# Altium PCB IOBoard2020.PcbDoc (part 2 of 2) (continued)
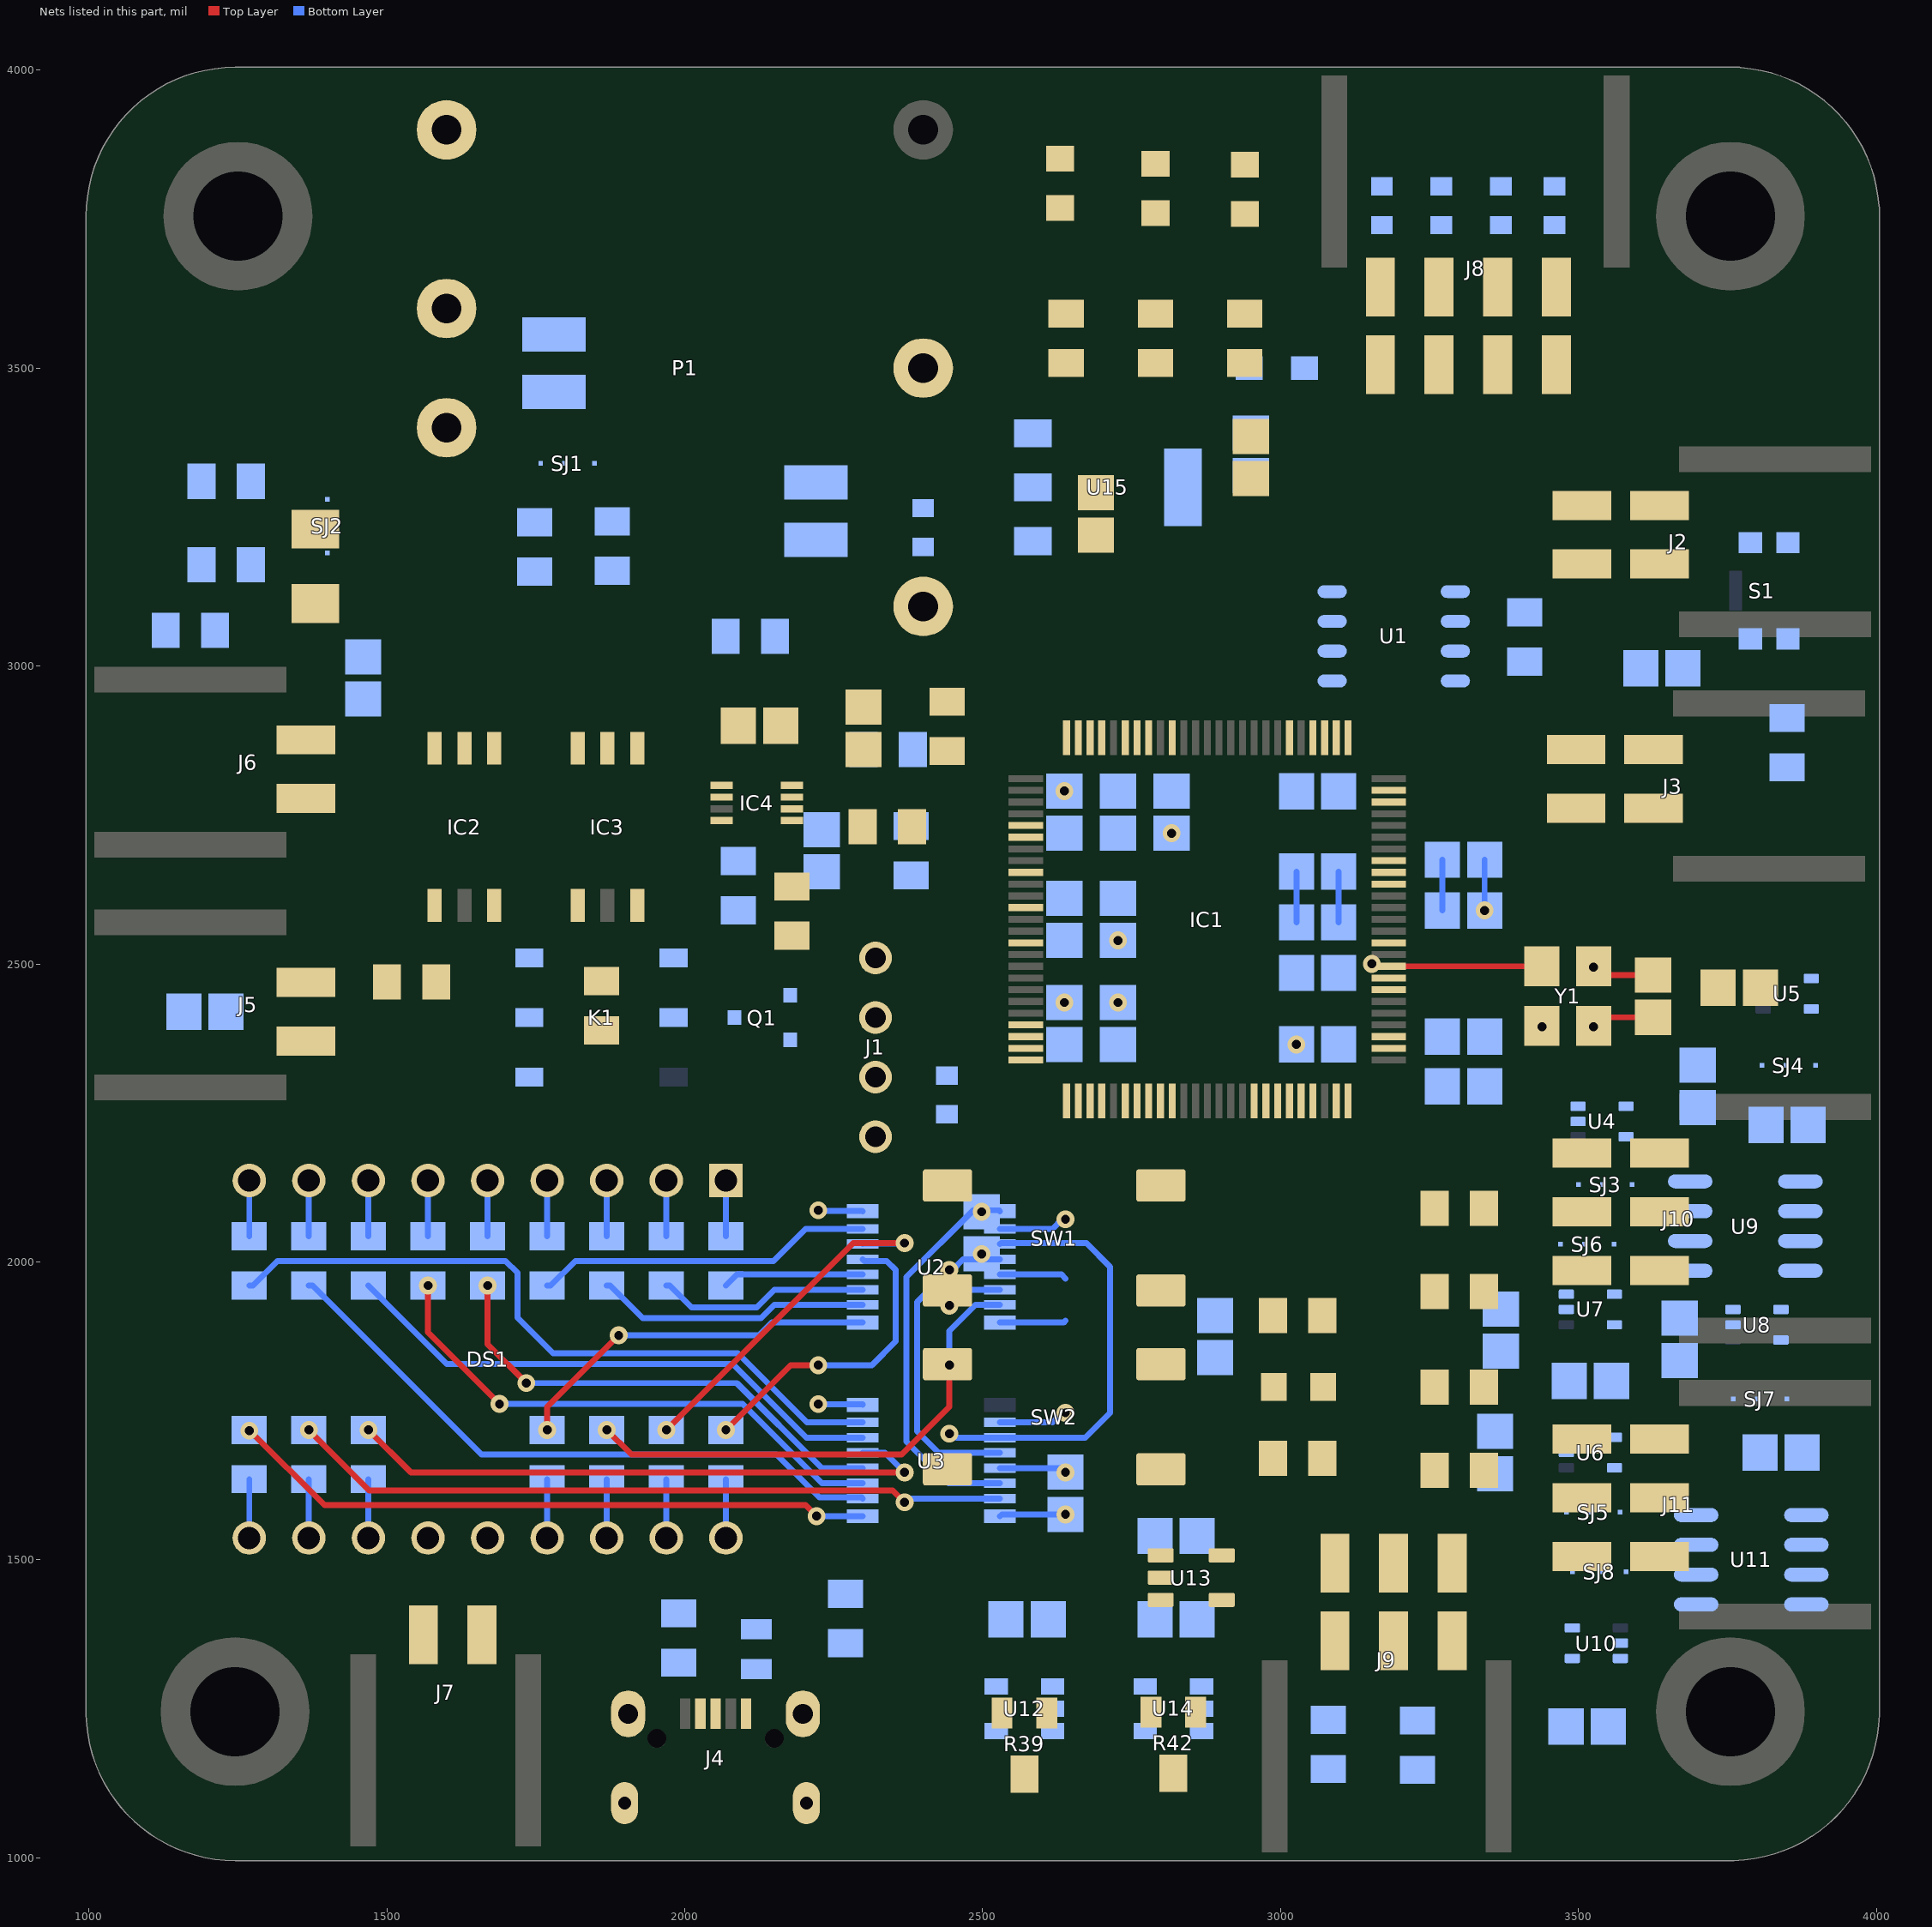
[diagram p4: the nets of this part, all layers, seen from the top]
## Part data (continued)
R39 R42: "Panasonic EVM-3YSX50B13", Built_By=EMA_UL_Team, Copyright="Copyright (C) 2018 Accelerated Designs. All rights reserved", Manufacturer_Part_Number=EVM3YSX50B13, RefDes=RefDes, SourceLibrary=Panasonic_2012-04-02a, Type=DEV, Vendor=Panasonic
R44: library part CMP-009-00001-4, "Chip Resistor, 1k Ohm, +/- 1%, 125 mW, -55 to 155 degC, 0805 (2012 Metric)", Case Code (Imperial)=0805, Case Code (Metric)=2012, Manufacturer=Panasonic, Manufacturer Part Number=ERA-6AEB102V, Max Operating Temperature=155°C, Max Power Dissipation=125mW, Min Operating Temperature=-55°C, Package Quantity=5000, Resistance=1kR, Supplier Part Number 1=P1.0KDACT-ND, Temperature Coefficient=25ppm/°C, Tolerance=0.1%, Voltage Rating=100V, Case/Package=0805, Category="Chip SMD Resistors", ComponentLink1Description=https://datasheet.ciiva.com/11811/0900766b80beefcc-11811155.pdf?src-supplier=RSComponents, ComponentLink1URL=https://datasheet.ciiva.com/11811/0900766b80beefcc-11811155.pdf?src-supplier=RSComponents, ComponentLink2Description=https://datasheet.ciiva.com/29184/453027-da-01-en-widerstand-0805-era-29184108.pdf?src-supplier=Conrad, ComponentLink2URL=https://datasheet.ciiva.com/29184/453027-da-01-en-widerstand-0805-era-29184108.pdf?src-supplier=Conrad, ComponentLink3Description=https://datasheet.ciiva.com/30057/54aoa0000ce26-30057591.pdf?src-supplier=Onlinecomponents.com, ComponentLink3URL=https://datasheet.ciiva.com/30057/54aoa0000ce26-30057591.pdf?src-supplier=Onlinecomponents.com, ComponentLink4Description=https://datasheet.ciiva.com/48536/era-eng-tds-48536727.pdf?src-supplier=Distrelec, ComponentLink4URL=https://datasheet.ciiva.com/48536/era-eng-tds-48536727.pdf?src-supplier=Distrelec, ComponentLink5Description=https://datasheet.ciiva.com/9198/aoa0000ce26-9198984.pdf?src-supplier=Avnet, ComponentLink5URL=https://datasheet.ciiva.com/9198/aoa0000ce26-9198984.pdf?src-supplier=Avnet, ComponentLink6Description=https://datasheet.ciiva.com/16782/70068849-16782808.pdf?src-supplier=Allied+Electronics, ComponentLink6URL=https://datasheet.ciiva.com/16782/70068849-16782808.pdf?src-supplier=Allied+Electronics, ComponentLink7Description=https://datasheet.ciiva.com/24025/aoa0000ce26-197354-24025849.pdf?src-supplier=Mouser, ComponentLink7URL=https://datasheet.ciiva.com/24025/aoa0000ce26-197354-24025849.pdf?src-supplier=Mouser, ComponentLink8Description=https://datasheet.ciiva.com/43455/485442-43455257.pdf?src-supplier=Farnell, ComponentLink8URL=https://datasheet.ciiva.com/43455/485442-43455257.pdf?src-supplier=Farnell, ComponentLink9Description=https://datasheet.ciiva.com/43457/485442-43457803.pdf?src-supplier=Farnell, ComponentLink9URL=https://datasheet.ciiva.com/43457/485442-43457803.pdf?src-supplier=Farnell, ComponentLink10Description=https://datasheet.ciiva.com/7942/485442-7942414.pdf?src-supplier=Element14, ComponentLink10URL=https://datasheet.ciiva.com/7942/485442-7942414.pdf?src-supplier=Element14, ComponentLink11Description=https://datasheet.ciiva.com/16201/aoa0000ce26-16201486.pdf?src-supplier=Future+Electronics, ComponentLink11URL=https://datasheet.ciiva.com/16201/aoa0000ce26-16201486.pdf?src-supplier=Future+Electronics, ComponentLink12Description=https://datasheet.ciiva.com/22783/485442-22783806.pdf?src-supplier=Farnell, ComponentLink12URL=https://datasheet.ciiva.com/22783/485442-22783806.pdf?src-supplier=Farnell, ComponentLink13Description=https://datasheet.ciiva.com/7942/485442-7942415.pdf?src-supplier=Element14, ComponentLink13URL=https://datasheet.ciiva.com/7942/485442-7942415.pdf?src-supplier=Element14, Composition="Thin Film", Contact Plating=Tin, Depth=1.25mm, Height=0.5mm, Length=2mm, Military Standard=Not, Mount="Surface Mount", Number of Pins=2, Number of Terminations=2, Packaging="Tape and Reel", Power Rating=125mW, Pricing 1="1=0.33000, 10=0.27800, 100=0.10850, 1000=0.04541, 2500=0.04163 (USD)", Radiation Hardening=No, REACH SVHC="No SVHC", RoHS=Yes, Stock 1=122815, Supplier 1=Digi-Key, Termination=SMD/SMT, Width=1.25mm, Working Voltage=100V
R45: library part CMP-009-00001-4, "Chip Resistor, 100 Ohm, +/- 1%, 125 mW, -55 to 155 degC, 0805 (2012 Metric)", Case Code (Imperial)=0805, Case Code (Metric)=2012, Manufacturer=Panasonic, Manufacturer Part Number=ERA-6AEB101V, Max Operating Temperature=155°C, Max Power Dissipation=125mW, Min Operating Temperature=-55°C, Package Quantity=1, Resistance=100R, Supplier Part Number 1=P100DACT-ND, Temperature Coefficient=25ppm/°C, Tolerance=0.1%, Voltage Rating=100V, Case/Package=0805, Category="Chip SMD Resistors", ComponentLink1Description=https://datasheet.ciiva.com/11810/0900766b80beefcc-11810733.pdf?src-supplier=RSComponents, ComponentLink1URL=https://datasheet.ciiva.com/11810/0900766b80beefcc-11810733.pdf?src-supplier=RSComponents, ComponentLink2Description=https://datasheet.ciiva.com/29184/452698-da-01-en-widerstand-0805-era-29184051.pdf?src-supplier=Conrad, ComponentLink2URL=https://datasheet.ciiva.com/29184/452698-da-01-en-widerstand-0805-era-29184051.pdf?src-supplier=Conrad, ComponentLink3Description=https://datasheet.ciiva.com/16774/70068849-16774677.pdf?src-supplier=Allied+Electronics, ComponentLink3URL=https://datasheet.ciiva.com/16774/70068849-16774677.pdf?src-supplier=Allied+Electronics, ComponentLink4Description=https://datasheet.ciiva.com/22758/485442-22758149.pdf?src-supplier=Farnell, ComponentLink4URL=https://datasheet.ciiva.com/22758/485442-22758149.pdf?src-supplier=Farnell, ComponentLink5Description=https://datasheet.ciiva.com/46438/485442-46438213.pdf?src-supplier=Element14, ComponentLink5URL=https://datasheet.ciiva.com/46438/485442-46438213.pdf?src-supplier=Element14, ComponentLink6Description=https://datasheet.ciiva.com/16770/70068849-16770007.pdf?src-supplier=Allied+Electronics, ComponentLink6URL=https://datasheet.ciiva.com/16770/70068849-16770007.pdf?src-supplier=Allied+Electronics, ComponentLink7Description=https://datasheet.ciiva.com/46438/485442-46438214.pdf?src-supplier=Element14, ComponentLink7URL=https://datasheet.ciiva.com/46438/485442-46438214.pdf?src-supplier=Element14, ComponentLink8Description=https://datasheet.ciiva.com/30140/54aoa0000ce26-30140696.pdf?src-supplier=Onlinecomponents.com, ComponentLink8URL=https://datasheet.ciiva.com/30140/54aoa0000ce26-30140696.pdf?src-supplier=Onlinecomponents.com, ComponentLink9Description=https://datasheet.ciiva.com/17207/aoa0000ce26-17207961.pdf?src-supplier=Avnet+Europe, ComponentLink9URL=https://datasheet.ciiva.com/17207/aoa0000ce26-17207961.pdf?src-supplier=Avnet+Europe, ComponentLink10Description=https://datasheet.ciiva.com/24072/aoa0000ce26-32660-24072217.pdf?src-supplier=Mouser, ComponentLink10URL=https://datasheet.ciiva.com/24072/aoa0000ce26-32660-24072217.pdf?src-supplier=Mouser, ComponentLink11Description=https://datasheet.ciiva.com/28513/485442-28513850.pdf?src-supplier=Element14, ComponentLink11URL=https://datasheet.ciiva.com/28513/485442-28513850.pdf?src-supplier=Element14, ComponentLink12Description=https://datasheet.ciiva.com/48536/era-eng-tds-48536747.pdf?src-supplier=Distrelec, ComponentLink12URL=https://datasheet.ciiva.com/48536/era-eng-tds-48536747.pdf?src-supplier=Distrelec, ComponentLink13Description=https://datasheet.ciiva.com/16396/aoa0000ce26-16396828.pdf?src-supplier=Future+Electronics, ComponentLink13URL=https://datasheet.ciiva.com/16396/aoa0000ce26-16396828.pdf?src-supplier=Future+Electronics, ComponentLink14Description=https://datasheet.ciiva.com/9186/aoa0000ce26-9186749.pdf?src-supplier=Avnet, ComponentLink14URL=https://datasheet.ciiva.com/9186/aoa0000ce26-9186749.pdf?src-supplier=Avnet, Composition="Metal Film,Thin Film", Contact Plating=Tin, Depth=1.25mm, Features="Automotive AEC-Q200", Height=0.5mm, Lead Free="Lead Free", Length=2mm, Military Standard=Not, Mount="Surface Mount", Number of Pins=2, Number of Terminations=2, Packaging="Tape and Reel", Power Rating=125mW, Pricing 1="1=0.33000, 10=0.27800, 100=0.10850, 1000=0.04541, 2500=0.04163 (USD)", Radiation Hardening=No, REACH SVHC="No SVHC", RoHS=Yes, Stock 1=127229, Supplier 1=Digi-Key, Termination=SMD/SMT, Voltage Rating (DC)=100V, Width=1.25mm
R46: library part CMP-009-00001-4, "Chip Resistor, 75 Ohm, +/- 1%, 125 mW, -55 to 155 degC, 0805 (2012 Metric)", Case Code (Imperial)=0805, Case Code (Metric)=2012, Manufacturer=Panasonic, Manufacturer Part Number=ERA-6AEB750V, Max Operating Temperature=155°C, Max Power Dissipation=125mW, Min Operating Temperature=-55°C, Package Quantity=5000, Resistance=75R, Supplier Part Number 1=P75DACT-ND, Temperature Coefficient=25ppm/°C, Tolerance=0.1%, Voltage Rating=100V, Case/Package=0805, Category="Chip SMD Resistors", ComponentLink1Description=https://datasheet.ciiva.com/29184/452659-da-01-en-widerstand-0805-era-29184043.pdf?src-supplier=Conrad, ComponentLink1URL=https://datasheet.ciiva.com/29184/452659-da-01-en-widerstand-0805-era-29184043.pdf?src-supplier=Conrad, ComponentLink2Description=https://datasheet.ciiva.com/5917/485442-5917734.pdf?src-supplier=Farnell, ComponentLink2URL=https://datasheet.ciiva.com/5917/485442-5917734.pdf?src-supplier=Farnell, ComponentLink3Description=https://datasheet.ciiva.com/48536/era-eng-tds-48536758.pdf?src-supplier=Distrelec, ComponentLink3URL=https://datasheet.ciiva.com/48536/era-eng-tds-48536758.pdf?src-supplier=Distrelec, ComponentLink4Description=https://datasheet.ciiva.com/5917/485442-5917735.pdf?src-supplier=Farnell, ComponentLink4URL=https://datasheet.ciiva.com/5917/485442-5917735.pdf?src-supplier=Farnell, ComponentLink5Description=https://datasheet.ciiva.com/5917/485442-5917736.pdf?src-supplier=Farnell, ComponentLink5URL=https://datasheet.ciiva.com/5917/485442-5917736.pdf?src-supplier=Farnell, ComponentLink6Description=https://datasheet.ciiva.com/7710/485442-7710664.pdf?src-supplier=Element14, ComponentLink6URL=https://datasheet.ciiva.com/7710/485442-7710664.pdf?src-supplier=Element14, ComponentLink7Description=https://datasheet.ciiva.com/17208/aoa0000ce26-17208633.pdf?src-supplier=Avnet+Europe, ComponentLink7URL=https://datasheet.ciiva.com/17208/aoa0000ce26-17208633.pdf?src-supplier=Avnet+Europe, ComponentLink8Description=https://datasheet.ciiva.com/48425/era-eng-tds-48425627.pdf?src-supplier=Distrelec, ComponentLink8URL=https://datasheet.ciiva.com/48425/era-eng-tds-48425627.pdf?src-supplier=Distrelec, ComponentLink9Description=https://datasheet.ciiva.com/30147/54aoa0000ce26-30147167.pdf?src-supplier=Onlinecomponents.com, ComponentLink9URL=https://datasheet.ciiva.com/30147/54aoa0000ce26-30147167.pdf?src-supplier=Onlinecomponents.com, ComponentLink10Description=https://datasheet.ciiva.com/7710/485442-7710665.pdf?src-supplier=Element14, ComponentLink10URL=https://datasheet.ciiva.com/7710/485442-7710665.pdf?src-supplier=Element14, ComponentLink11Description=https://datasheet.ciiva.com/9187/aoa0000ce26-9187722.pdf?src-supplier=Avnet, ComponentLink11URL=https://datasheet.ciiva.com/9187/aoa0000ce26-9187722.pdf?src-supplier=Avnet, Composition="Thin Film", Contact Plating=Tin, Depth=1.25mm, Height=0.024inch, Lead Free="Lead Free", Length=2mm, Military Standard=Not, Mount="Surface Mount", Number of Pins=2, Number of Terminations=2, Packaging="Tape and Reel", Power Rating=125mW, Pricing 1="1=0.33000, 10=0.27800, 100=0.10850, 1000=0.04541, 2500=0.04163 (USD)", Radiation Hardening=No, REACH SVHC=Yes, RoHS=Yes, Stock 1=28530, Supplier 1=Digi-Key, Termination=SMD/SMT, Voltage Rating (DC)=100V, Width=0.049inch
S1: "Tactile Switch SPST-NO Top Actuated Surface Mount", Package=None, Availability=Unavailable, MF=C&K, MP=KMR221GLFS, Price=None, SnapEDA_Link=https://www.snapeda.com/parts/KMR221GLFS/C%26K/view-part/347724/?ref=snap
SJ1 SJ2 SJ3 SJ4 SJ5 SJ6 SJ7 SJ8: "3-Way Solder Jumper"
SW1 SW2: "Tactile Switch SPST-NO Top Actuated Surface Mount", Contact_Current_Rating="50 mA", Package=None, Availability=Unavailable, Configuration_Pole-Throw="Single Pole - Single Throw", EU_RoHS_Compliance=Compliant, MF="TE Connectivity", MP=FSM4JSMA, Price=None, SnapEDA_Link=https://www.snapeda.com/parts/FSM4JSMA/TE%20Connectivity%20ALCOSWITCH%20Switches/view-part/543632/?ref=snap, TE_purchase_URL=https://www.te.com/usa-en/product-4-1437565-1.html?te_bu=Cor&te_type=disp&te_campaign=seda_glo_cor-seda-global-disp-prtnr-fy19-seda-model-bom-cta_sma-317_1&elqCampaignId=32493
U1: library part CMP-2000-07245-1, "High-Speed CAN Transceiver, 3 to 5 V, 8-Pin SOIC (SOT96-1), RoHS, Tape and Reel", Manufacturer=NXP, Operating Supply Voltage (Max)=5.5V, Operating Supply Voltage (Min)=4.5V, Operating Supply Voltage (Typ)=5V, Operating Temperature (Max)=125C, Operating Temperature (Min)=-40C, Operating Temperature Classification=Automotive, Package Description="8-Pin Small Outline Integrated Circuit, Body 4.9 x 3.9 mm, Pitch 1.27 mm", Package Reference=SOT96-1, Package Type=SO, Power Down Mode=Normal/Silent, Supply Current=70mA, Category=Transceiver, Data Rate=1Mbps, Datasheet URL=http://www.nxp.com/documents/data_sheet/TJA1051.pdf, Datasheet Version="Rev. 7, 01/2015", DELETED=Compliant, Manufacturer URL=http://www.nxp.com/, Mounting=SurfaceMount, Mounting Technology=SurfaceMount, Number of Transceivers=1, Packaging=TapeandReel, Pin Count=8, Rad Hardened=No, Standard Supported=ISO11898-2
U2 U3: library part CMP-14351-000002-1, "IC SHIFT REGISTER 8BIT 16TSSOP", Ambient Temperature Range High=+125°C, Ambient Temperature Range Low=-40°C, Frequency=108MHz, Manufacturer=Nexperia, Max Supply Voltage=6V, Min Supply Voltage=2V, Nominal Supply Current=160uA, Package=SOT403-1, Temperature="-40°C to +125°C", Automotive=Yes, Automotive Grade="Grade 1", Category=IC, ComponentLink2Description=Datasheet, ComponentLink2URL=https://assets.nexperia.com/documents/data-sheet/74HC_HCT595_Q100.pdf, Device Class L1="Integrated Circuits (ICs)", Device Class L2="Logic ICs", Device Class L3="Shift Registers", Digikey Description="IC SHIFT REGISTER 8BIT 16TSSOP", Footprint Url=https://assets.nexperia.com/documents/outline-drawing/SOT403-1.pdf, Height=1.1mm, Ipc Land Pattern Name=SOP65P500X110-16, Lead Free=Yes, Manufacturer Part Number=74HC595PW-Q100,118, Number Of Circuits=1, Number Of Inputs=1, Number Of Outputs=9, Octopart=https://octopart.com/74hc595pw-q100%2C118-nexperia-78737379, Propagation Delay=16ns, RoHS=TRUE, Standoff Height=0.05mm, Temperature Range High=+125°C, Temperature Range Low=-40°C
U4 U5 U6 U7 U8 U10: library part CMP-0859-00371-3, "Single Power Supply BUFFER Logic Level Shifter (no enable), DCK0005A, LARGE T&R", F @ Nom Voltage(Max)(Mhz)=50, Generic Part Number=SN74LV1T34, ICC @ Nom Voltage(Max)(mA)=0.01, Manufacturer="Texas Instruments", Operating Temperature Range(C)="-40 to 125", Rating=Catalog, tpd @ Nom Voltage(Max)(ns)=14.5,9.5,8.0,6.5, Voltage(Nom)(V)=1.8,2.5,3.3,5.5, 3-State Output=Yes, Bits(#)=1, DatasheetVersion=SCLS743A, Input Type=TTL, Logic=True, Output Drive (IOL/IOH)(Max)(mA)=8/-8, Output Type=CMOS, PackageReference=DCK0005A, Schmitt Trigger=No, Special Features="1.8V to 3.3V Up Translation,3.3V to 1.8V Down Translation,5V Input Tolerant", Sub-Family="Non-Inverting Buffer/Driver", Technology Family=LV1T, VCC(Max)(V)=5.5, VCC(Min)(V)=1.6
U9 U11: library part CMP-0188-00474-2, "2.7V Dual Channel 12-Bit A/D Converter with SPI Serial Interface, 8-Pin SOIC 150mil, C Performance Grade, Industrial Temperature", Code_IPC=SOIC127P600-8, Code_JEDEC=MS-012, ComponentLink1Description="Manufacturer URL", ComponentLink1URL=http://www.microchip.com/, ComponentLink2Description=Datasheet, ComponentLink2URL=http://ww1.microchip.com/downloads/en/DeviceDoc/21034F.pdf, ComponentLink3Description="Package Specification", ComponentLink3URL=http://www.microchip.com/stellent/groups/techpub_sg/documents/packagingspec/en012702.pdf, DatasheetVersion="revF, Nov-2011", PackageDescription="8-Lead Plastic Small Outline (SN) - Narrow, 3.90mm Body [SOIC]", PackageReference=SOIC-SN8, PackageVersion="revBB, Aug-2009", RevisionNote="URLs added. DatasheetVersion updated."
U12 U14: library part CMP-1310-00382-1, "Single Low-Voltage, Rail-to-Rail Operational Amplifier, 2.7 to 5.5 V, -40 to 85 degC, 5-Pin TSOP, Pb-Free, Tape and Reel", Manufacturer="On Semiconductor", ComponentLink1Description="Manufacturer URL", ComponentLink1URL=http://www.onsemi.com/, ComponentLink2Description=Datasheet, ComponentLink2URL=http://www.onsemi.cn/pub_link/Collateral/LMV321-LMV358-LMV324-D.PDF, ComponentLink3Description="Package Specification", ComponentLink3URL=http://www.onsemi.com/pub_link/Collateral/483.PDF, DatasheetVersion="Rev. 10", GBW Typ (MHz)=1, Mounting Technology="Surface Mount", PackageDescription="5-Pin Small Outline Package, Body 3 x 1.5 mm, Pitch 0.95 mm", PackageReference=TSOP-5-483-02, PackageVersion="Rev. K, 04/2013", Packing="Tape and Reel", PartNumber=LMV321SN3T1G, RoHS=TRUE, SR Typ (V/uS)=1, VCC Max (V)=5.5, VCC Min (V)=2.7
U13: library part CMP-04903-000054-1, "IC GATE NOR 1CH 2-INP SOT23-5", Ambient Temperature Range High=+125°C, Ambient Temperature Range Low=-40°C, Frequency=100MHz, Manufacturer="Texas Instruments", Max Supply Voltage=5.5V, Min Supply Voltage=1.65V, Nominal Supply Current=10uA, Package=DBV0005A, Temperature="-40°C to +125°C", Automotive=No, Category=IC, ComponentLink2Description=Datasheet, ComponentLink2URL=http://www.ti.com/lit/ds/symlink/sn74lvc1g02.pdf, Device Class L1="Integrated Circuits (ICs)", Device Class L2="Logic ICs", Device Class L3="Logic Gates", Digikey Description="IC GATE NOR 1CH 2-INP SOT23-5", Height=1.45mm, Ipc Land Pattern Name=SOT95P280X145-5, Lead Free=Yes, Logic Function Desc=NOR, Manufacturer Part Number=SN74LVC1G02DBVR, Mouser Description="Logic Gates Single 2-Input Pos- NOR Gate", Number Of Circuits=1, Number Of Inputs=2, Number Of Outputs=1, Octopart=https://octopart.com/sn74lvc1g02dbvr-texas+instruments-464409, Propagation Delay=4.5ns, RoHS=TRUE, Standoff Height=0mm, Temperature Range High=+125°C, Temperature Range Low=-40°C
U15: library part CMP-12756-000039-1, "IC REG LINEAR 3.3V 1A SOT223", Case/Package=TO-261-4, Dropout Voltage=1.1V, Max Input Voltage=13V, Max Operating Temperature=125°C, Max Output Current=1A, Min Operating Temperature=-40°C, Operating Supply Current=3.5mA, Output Voltage=3.3V, Package Quantity=4000, Power Supply Rejection Ratio (PSRR)=70dB, Reference Voltage=1.262V, Accuracy=1%, Contact Plating=Tin, Lead Free="Lead Free", Mount="Surface Mount", Number Of Outputs=1, Number of Pins=3, Number of Regulators=1, Output Current=1A, Output Type=Fixed, Packaging="Tape and Reel", Polarity=Positive, Quiescent Current=3.5mA, Weight=0.000282oz
Y1: library part CMP-27762-000018-1, "XTAL OSC XO 8.000MHZ HCMOS TTL", Frequency=8.000MHz, Load Capacitance=15pF, Manufacturer=Abracon, Max Supply Current=15mA, Max Supply Voltage=3.63V, Min Supply Voltage=2.97V, Package=ASFL1, Temperature="-20°C to +70°C", Temperature Range High=+70°C, Temperature Range Low=-20°C, Automotive=No, Category=Crys, ComponentLink2Description=Datasheet, ComponentLink2URL=https://abracon.com/Oscillators/ASFL1.pdf, Device Class L1="Passive Components", Device Class L2="Crystals / Oscillators", Device Class L3=Oscillators, Digikey Description="XTAL OSC XO 8.000MHZ HCMOS TTL", Footprint Url=https://abracon.com/Support/PackageDrawing/Oscillators/ASFL1.PDF, Height=1.3mm, Lead Free=Yes, Manufacturer Part Number=ASFL1-8.000MHZ-EK-T, Mouser Description="Oscillator XO 8.000MHz 50ppm 15pF (Stability) HCMOS/TTL 60% 3.3V 4-Pin SMD T/R", Octopart=https://octopart.com/asfl1-16.384mhz-ec-t-abracon-317624, RoHS=TRUE, Series=ASFL1, Stability=50ppm

## Via types
v1: diameter 30, hole 15, Top Layer to Bottom Layer, 58 vias

## Nets (pads, with @x,y where several pads share a name; then routed paths per layer and width w, separated by ;. In a path a pad name is that pad's centre, name@x,y a point inside that pad or via, vN(x,y) a via of type N, cw(c..) or ccw(c..) an arc to the next point about the centre after c; other vN are vias at no path point)
3V3A: C8.2 C9.1 C10.2 C11.1 C41.1 IC1.17 IC1.18 L1.2 | length 170
  Bottom Layer w10: C8.2@3097.43,2569.81 C9.1@3097.43,2654.81 ; C10.2@3271.57,2589.81 C11.1@3271.57,2674.81
3V3D: C1.2 C2.2 C3.2 C4.2 C5.2 C6.2 C7.1 C13.1 C14.1 C15.1 C16.1 C21.1 C22.1 C24.2 C40.2 F1.1 F5.1 F6.1 IC1.3 IC1.8 IC1.24 IC1.45 IC1.55 IC1.65 IC1.77 IC1.100 IC4.8 L1.1 R1.2 R2.2 R6.2 R24.1 R29.2 R31.1 R38.1 R46.1 R47.2 R48.2 U1.5 U2.10 U2.16 U3.10 U3.16 U15.2 U15.4 Y1.1 Y1.4 | length 560.9
  Top Layer w10: Y1.1@3525.31,2395.81 3539.87,2410.38 C7.1@3625,2410.38
  Bottom Layer w10: U3.16@2529.09,1573.02 2532.16,1576.09 v1(2638.93,1576.09) ; U3.10@2529.09,1730.5 2617.49,1730.5 2633.52,1746.52 v1(2638.93,1746.52) ; U2.16@2529.09,1898.02 2635.86,1898.02 2638.93,1901.09 ; U2.10@2529.09,2055.5 2617.49,2055.5 2633.52,2071.52 v1(2638.93,2071.52)
  other v1: 2498.18,2013.21 3438.69,2394.81 3525.31,2394.81
5V: C12.1 C26.1 C27.1 C28.1 C29.1 C30.1 C31.2 C32.1 C34.2 C35.2 C39.2 F3.1 F4.1 F7.2 IC2.6 IC3.6 J9.2 J9.5 J10.2 J10.5 R39.1 R40.2 R42.1 R43.2 R45.2 U1.3 U4.5 U5.5 U6.5 U7.5 U8.5 U9.8 U10.5 U11.8 U13.5 U15.3
ACCEL_1: J10.1 J11.3 U9.2
ACCEL_2: J10.4 J11.6 U9.3
BOOT0: IC1.97 SJ1.2
BOOT1: IC1.31 SJ2.2
BRAKE_1: J9.3 J11.1 R40.1 U11.2 U12.1
BRAKE_2: J9.6 J11.4 R43.1 U11.3 U14.1
CAN1_N: J2.2 J3.2 R3.1 U1.6
CAN1_P: J2.1 J3.1 R3.2 U1.7
CAN1_RX: IC1.84 U1.4
CAN1_TX: IC1.85 U1.1
CLK: IC1.9 Y1.3 | length 257.2
  Top Layer w10: IC1.9@3181.65,2496.07 3438.43,2496.07 Y1.3@3438.69,2495.81
  other v1: 3153.22,2500.17
Debug_CS: IC1.82 U2.12 U3.12 | length 540.1
  Bottom Layer w10: U3.12@2529.09,1679.32 2426.13,1679.32 2389.93,1715.52 2389.93,1932.52 v1(2443.93,1986.52) 2449.34,1986.52 2467.14,2004.32 U2.12@2529.09,2004.32
Debug_MOSI: IC1.83 U2.14 | length 96.2
  Bottom Layer w10: v1(2443.93,1926.52) 2470.54,1953.13 U2.14@2529.09,1953.13
Debug_SCLK: IC1.81 U2.11 U3.11 | length 737.1
  Bottom Layer w10: v1(2443.93,1711.52) 2449.34,1711.52 2455.96,1704.91 U3.11@2529.09,1704.91 2672.31,1704.91 2713.93,1746.52 2713.93,1991.52 2673.93,2031.52 2530.7,2031.52 U2.11@2529.09,2029.91
GND: C1.1 C2.1 C3.1 C4.1 C5.1 C6.1 C7.2 C8.1 C9.2 C10.1 C11.2 C12.2 C13.2 C14.2 C15.2 C16.2 C17.1 C18.1 C19.1 C20.1 C21.2 C22.2 C23.2 C24.1 C25.1 C26.2 C27.2 C28.2 C29.2 C30.2 C31.1 C32.2 C33.2 C34.1 C35.1 C36.2 C38.2 C39.1 C40.1 C41.2 C42.1 C43.1 DS1.13 DS1.14 IC1.2 IC1.7 IC1.16 IC1.23 IC1.44 IC1.59 IC1.78 IC2.4 IC3.4 IC4.1 IC4.2 IC4.4 J1.2 J2.3 J2.4 J3.3 J3.4 J4.5 J4.Shell J7.2 J8.5 J8.6 J8.7 J8.8 J9.1 J9.4 J10.3 J10.6 J11.2 J11.5 LED3.1 LED4.1 P1.5 Q1.2 R4.1 R5.1 R26.1 R35.1 R37.1 R39.3 R41.1 R42.3 S1.1 S1.4 SW1.1 SW1.2 SW2.1 SW2.2 U1.2 U1.8 U2.8 U2.13 U3.8 U3.13 U4.3 U5.3 U6.3 U7.3 U8.3 U9.4 U10.3 U11.4 U12.2 U13.3 U14.2 U15.1 Y1.2 | length 652
  Top Layer w10: Y1.2@3525.31,2495.81 3539.87,2481.24 C7.2@3625,2481.24
  Bottom Layer w10: v1(2223.93,1761.12) 2224.48,1760.57 2298.22,1760.57 U3.8@2298.77,1760.02 ; v1(2223.93,2086.52) 2224.68,2085.77 2298.02,2085.77 U2.8@2298.77,2085.02 ; U3.13@2529.09,1653.72 2631.72,1653.72 v1(2638.93,1646.52) ; U2.13@2529.09,1978.72 2632.16,1978.72 2638.93,1971.95 ; C8.1@3026.57,2569.81 C9.2@3026.57,2654.81 ; v1(3342.43,2589.81) C11.2@3342.43,2674.81
  other v1: 2498.18,2084.07 3026.57,2364.81 2637,2435.24 2727,2435.24 3525.31,2494.81 2727,2539.38 2817,2719.38 2637,2790.24
NetC17_2: C17.2 IC1.56 IC1.62
NetC18_2: C18.2 IC1.76
NetC19_2: C19.2 IC1.43
NetC23_1: C23.1 IC4.6 R25.1
NetC25_2: C25.2 IC4.7 R30.1
NetC33_1: C33.1 U12.5
NetC36_1: C36.1 U14.5
NetC38_1: C38.1 F7.1 P1.6
NetC42_2: C42.2 IC1.99 R47.1 SW1.3 SW1.4
NetC43_2: C43.2 IC1.41 R48.1 SW2.3 SW2.4
NetDS1_1: DS1.1 R11.1 | length 93.7
  Bottom Layer w10: R11.1@2068.93,2042.86 DS1.1@2068.93,2136.52
NetDS1_2: DS1.2 R10.1 | length 93.7
  Bottom Layer w10: R10.1@1968.93,2042.86 DS1.2@1968.93,2136.52
NetDS1_3: DS1.3 R9.1 | length 93.7
  Bottom Layer w10: R9.1@1868.93,2042.86 DS1.3@1868.93,2136.52
NetDS1_4: DS1.4 R14.1 | length 93.7
  Bottom Layer w10: R14.1@1768.93,2042.86 DS1.4@1768.93,2136.52
NetDS1_5: DS1.5 R19.1 | length 93.7
  Bottom Layer w10: R19.1@1668.93,2042.86 DS1.5@1668.93,2136.52
NetDS1_6: DS1.6 R18.1 | length 93.7
  Bottom Layer w10: R18.1@1568.93,2042.86 DS1.6@1568.93,2136.52
NetDS1_7: DS1.7 R21.1 | length 93.7
  Bottom Layer w10: R21.1@1468.93,2042.86 DS1.7@1468.93,2136.52
NetDS1_8: DS1.8 R17.1 | length 93.7
  Bottom Layer w10: R17.1@1368.93,2042.86 DS1.8@1368.93,2136.52
NetDS1_9: DS1.9 R22.1 | length 93.7
  Bottom Layer w10: R22.1@1268.93,2042.86 DS1.9@1268.93,2136.52
NetDS1_10: DS1.10 R16.1 | length 98.7
  Bottom Layer w10: DS1.10@1268.93,1536.52 R16.1@1268.93,1635.18
NetDS1_11: DS1.11 R15.1 | length 98.7
  Bottom Layer w10: DS1.11@1368.93,1536.52 R15.1@1368.93,1635.18
NetDS1_12: DS1.12 R20.1 | length 98.7
  Bottom Layer w10: DS1.12@1468.93,1536.52 R20.1@1468.93,1635.18
NetDS1_15: DS1.15 R8.1 | length 98.7
  Bottom Layer w10: DS1.15@1768.93,1536.52 R8.1@1768.93,1635.18
NetDS1_16: DS1.16 R7.1 | length 98.7
  Bottom Layer w10: DS1.16@1868.93,1536.52 R7.1@1868.93,1635.18
NetDS1_17: DS1.17 R13.1 | length 98.7
  Bottom Layer w10: DS1.17@1968.93,1536.52 R13.1@1968.93,1635.18
NetDS1_18: DS1.18 R12.1 | length 98.7
  Bottom Layer w10: DS1.18@2068.93,1536.52 R12.1@2068.93,1635.18
NetF1_2: F1.2 J1.1
NetF2_2: F2.2 J6.2
NetF3_2: F3.2 J8.1
NetF4_2: F4.2 J8.2
NetF5_2: F5.2 J8.3
NetF6_2: F6.2 J8.4
NetIC1_26: IC1.26 SJ3.3 U4.2
NetIC1_27: IC1.27 R34.2 R35.2
NetIC1_28: IC1.28 SJ6.3 U7.2
NetIC1_29: IC1.29 SJ4.3 U5.2
NetIC1_47: IC1.47 SJ5.3 U6.2
NetIC1_48: IC1.48 R36.2 R37.2
NetIC1_49: IC1.49 SJ8.3 U10.2
NetIC1_50: IC1.50 SJ7.3 U8.2
NetIC1_72: IC1.72 J7.1 LED1.1 R41.2 U13.4
NetIC1_73: IC1.73 R33.1
NetIC1_74: IC1.74 R32.1
NetIC1_75: IC1.75 J1.3
NetIC1_79: IC1.79 J1.4
NetIC1_92: IC1.92 Q1.1 R27.2
NetIC1_93: IC1.93 IC2.5
NetIC1_94: IC1.94 IC3.5
NetIC1_95: IC1.95 R25.2 R26.2
NetIC1_96: IC1.96 R29.1 R30.2
NetIC2_1: IC2.1 R23.2
NetIC3_1: IC3.1 R28.2
NetIC4_5: IC4.5 R27.1
NetJ4_2: J4.2 R33.2
NetJ4_3: J4.3 R31.2 R32.2
NetJ5_1: J5.1 K1.5 R28.1
NetJ5_2: J5.2 K1.4 K1.6 R23.1
NetK1_1: K1.1 R24.2
NetK1_2: K1.2 Q1.3
NetLED1_2: LED1.2 R38.2
NetLED2_2: LED2.2 R44.2
NetLED3_2: LED3.2 R45.1
NetLED4_2: LED4.2 R46.2
NetR1_1: R1.1 SJ1.1
NetR2_1: R2.1 SJ2.1
NetR4_2: R4.2 SJ1.3
NetR5_2: R5.2 SJ2.3
NetR7_2: R7.2 U2.15 | length 855.9
  Top Layer w10: v1(1868.93,1717.86) 1910.27,1676.52 2363.93,1676.52 2443.93,1756.52 v1(2443.93,1826.52)
  Bottom Layer w10: v1(2443.93,1826.52) 2443.93,1883.91 2487.57,1927.54 U2.15@2529.09,1927.54
NetR8_2: R8.2 U2.1 | length 627.1
  Top Layer w10: v1(1768.93,1717.86) 1768.93,1756.52 v1(1888.93,1876.52)
  Bottom Layer w10: v1(1888.93,1876.52) 2124.38,1876.52 2145.88,1898.02 U2.1@2298.77,1898.02
NetR9_2: R9.2 U2.2 | length 461.6
  Bottom Layer w10: R9.2@1868.93,1960.18 1874.83,1960.18 1929.46,1905.56 2127.97,1905.56 2149.95,1927.54 U2.2@2298.77,1927.54
NetR10_2: R10.2 U2.3 | length 357.3
  Bottom Layer w10: R10.2@1968.93,1960.18 1974.83,1960.18 2011.46,1923.56 2120.51,1923.56 2150.09,1953.13 U2.3@2298.77,1953.13
NetR11_2: R11.2 U2.4 | length 237.5
  Bottom Layer w10: R11.2@2068.93,1960.18 2087.47,1978.72 U2.4@2298.77,1978.72
NetR12_2: R12.2 U2.5 | length 529.1
  Top Layer w10: v1(2068.93,1717.86) 2177.59,1826.52 v1(2223.93,1826.52)
  Bottom Layer w10: v1(2223.93,1826.52) 2313.93,1826.52 2353.93,1866.52 2353.93,1986.52 2339.01,2001.44 2301.65,2001.44 U2.5@2298.77,2004.32
NetR13_2: R13.2 U2.6 | length 600.7
  Top Layer w10: v1(1968.93,1717.86) 2282.59,2031.52 v1(2368.93,2031.52)
  Bottom Layer w10: U2.6@2298.77,2029.91 2299.58,2030.71 2368.12,2030.71 v1(2368.93,2031.52)
NetR14_2: R14.2 U2.7 | length 569.3
  Bottom Layer w10: R14.2@1768.93,1960.18 1774.83,1960.18 1816.17,2001.52 2148.93,2001.52 2202.91,2055.5 U2.7@2298.77,2055.5
NetR15_2: R15.2 U3.15 | length 1212.9
  Top Layer w10: v1(1368.93,1717.86) 1470.27,1616.52 2348.93,1616.52 v1(2368.93,1596.52)
  Bottom Layer w10: v1(2368.93,1596.52) 2374.94,1602.53 U3.15@2529.09,1602.54
NetR16_2: R16.2 U3.1 | length 1089.3
  Top Layer w10: v1(1268.93,1716.52) 1270.27,1716.52 1395.27,1591.52 2202.93,1591.52 v1(2221.18,1573.27)
  Bottom Layer w10: v1(2221.18,1573.27) 2298.52,1573.27 U3.1@2298.77,1573.02
NetR17_2: R17.2 U3.2 | length 1078
  Bottom Layer w10: R17.2@1368.93,1960.18 1374.83,1960.18 1658.5,1676.52 2153.93,1676.52 2225.93,1604.52 2296.8,1604.52 U3.2@2298.77,1602.54
NetR18_2: R18.2 U3.3 | length 913.5
  Top Layer w10: v1(1568.93,1960.18) 1568.93,1881.52 v1(1688.93,1761.52)
  Bottom Layer w10: v1(1688.93,1761.52) 2096.8,1761.52 2230.19,1628.13 U3.3@2298.77,1628.13
NetR19_2: R19.2 U3.4 | length 814.6
  Top Layer w10: v1(1668.93,1960.18) 1668.93,1861.52 v1(1733.93,1796.52)
  Bottom Layer w10: v1(1733.93,1796.52) 2087.26,1796.52 2230.05,1653.72 U3.4@2298.77,1653.72
NetR20_2: R20.2 U3.5 | length 1013.3
  Top Layer w10: v1(1468.93,1717.86) 1540.27,1646.52 v1(2368.93,1646.52)
  Bottom Layer w10: U3.5@2298.77,1679.32 2336.13,1679.32 v1(2368.93,1646.52)
NetR21_2: R21.2 U3.6 | length 935.6
  Bottom Layer w10: R21.2@1468.93,1960.18 1600.59,1828.52 2080.71,1828.52 2204.33,1704.91 U3.6@2298.77,1704.91
NetR22_2: R22.2 U3.7 | length 1203.3
  Bottom Layer w10: R22.2@1268.93,1960.18 1274.83,1960.18 1316.17,2001.52 1699.12,2001.52 1718.93,1981.72 1718.93,1906.52 1778.93,1846.52 2088.93,1846.52 2204.95,1730.5 U3.7@2298.77,1730.5
NetR34_1: R34.1 U9.6
NetR36_1: R36.1 U11.6
NetR39_2: R39.2 U12.3
NetR42_2: R42.2 U14.3
NetSJ3_1: SJ3.1 U4.4
NetSJ3_2: SJ3.2 U9.7
NetSJ4_1: SJ4.1 U5.4
NetSJ4_2: SJ4.2 U9.1
NetSJ5_1: SJ5.1 U6.4
NetSJ5_2: SJ5.2 U11.7
NetSJ6_1: SJ6.1 U7.4
NetSJ6_2: SJ6.2 U9.5
NetSJ7_1: SJ7.1 U8.4
NetSJ7_2: SJ7.2 U11.1
NetSJ8_1: SJ8.1 U10.4
NetSJ8_2: SJ8.2 U11.5
NetU2_9: U2.9 U3.14 | length 666.5
  Bottom Layer w10: U3.14@2529.09,1628.13 2442.31,1628.13 2371.93,1698.52 2371.93,1974.52 2483.93,2086.52 2527.59,2086.52 U2.9@2529.09,2085.02
NetU12_4: U12.4 U13.1
NetU13_2: U13.2 U14.4
NRST: C20.2 IC1.11 R6.1 S1.2 S1.3
PGND: C37.2 IC2.3 IC3.3 J6.1 LED2.1 P1.2 P1.3
VIN: C37.1 F2.1 P1.1 R44.1
pads on no net: IC1.1 IC1.4 IC1.5 IC1.6 IC1.10 IC1.12 IC1.13 IC1.14 IC1.15 IC1.19 IC1.20 IC1.21 IC1.22 IC1.25 IC1.30 IC1.32 IC1.33 IC1.34 IC1.35 IC1.36 IC1.37 IC1.38 IC1.39 IC1.40 IC1.42 IC1.46 IC1.51 IC1.52 IC1.53 IC1.54 IC1.57 IC1.58 IC1.60 IC1.61 IC1.63 IC1.64 IC1.66 IC1.67 IC1.68 IC1.69 IC1.70 IC1.71 IC1.80 IC1.86 IC1.87 IC1.88 IC1.89 IC1.90 IC1.91 IC1.98 IC2.2 IC3.2 IC4.3 J2. J3. J4.1 J4.4 J4.MH1 J4.MH2 J5. J6. J7. J8. J9. J10. J11. K1.3 MH1.1 MH2.1 MH3.1 MH4.1 P1.4 S1.5 U3.9 U4.1 U5.1 U6.1 U7.1 U8.1 U10.1
copper on no net: | length 2483.6
  Top Layer w10: 2572.35,2535.44 2573.13,2536.22 2633.84,2536.22 v1(2637,2539.38) ; 2572.35,2594.5 2613.15,2594.5 2625.4,2582.24 2699,2582.24 v1(2727,2610.24) 2727,2643.81 2705,2665.81 2635,2665.81 2614.39,2686.42 2614.39,2704.21 2606.77,2711.83 2573.13,2711.83 2572.35,2712.61 ; 2572.35,2653.55 2573.13,2652.77 2606.77,2652.77 2633.17,2626.37 2633.17,2614.07 v1(2637,2610.24) ; 2572.35,2732.29 2618.67,2732.29 2631.16,2719.81 v1(2637.64,2719.81) ; v1(2637,2364.38) 2639.87,2361.5 2639.87,2271.07 ; 2639.87,2261.07 2640.78,2260.17 ; 2660.46,2260.17 2661.24,2260.95 ; 2661.24,2270.95 2661.24,2304.59 2717.21,2360.55 2723.17,2360.55 v1(2727,2364.38) ; v1(2727,2719.38) 2758.89,2751.27 2758.89,2879.46 ; v1(2727,2790.24) 2727,2795.66 2739.2,2807.86 2739.2,2879.46 ; 2778.57,2879.46 2778.57,2828.67 v1(2817,2790.24) ; v1(3026.57,2484.81) 3054.68,2456.7 3181.65,2456.7 ; v1(3026.57,2569.81) 3062.77,2569.81 3126.82,2633.87 3181.65,2633.87 ; v1(3026.57,2789.81) 3054.57,2761.81 3116.8,2761.81 3126.65,2771.66 3181.65,2771.66 ; v1(3097.43,2364.81) 3097.43,2359.4 3113.22,2343.61 3113.22,2270.17 ; 3097.43,2484.81 3102.84,2484.81 3111.27,2476.39 3181.65,2476.39 ; v1(3097.43,2654.81) 3098.06,2654.18 3181.02,2654.18 3181.65,2653.55 3181.65,2673.24 3182.43,2674.02 3270.77,2674.02 v1(3271.57,2674.81) ; v1(3097.43,2789.81) 3098.2,2790.58 3180.88,2790.58 3181.65,2791.35 ; 3181.65,2358.28 3239.62,2358.28 3303.08,2294.81 v1(3342.43,2294.81) ; 3181.65,2377.96 3181.72,2377.89 3271.49,2377.89 v1(3271.57,2377.81)

## Polygon pours and split planes (outlines as drawn)
no net on Int1 (PWR) (split plane): 1015.08,3755 1015.06,3755 1015.01,3755.5 1015.01,3755.69
no net on Int1 (PWR) (split plane): 181 vertices, not listed, extent 1015.04,1015.01 3984.94,3984.99
no net on Int2 (GND) (split plane): 1015.08,3755 1015.06,3755 1015.01,3755.5 1015.01,3755.69
no net on Int2 (GND) (split plane): 181 vertices, not listed, extent 1015.04,1015.01 3984.94,3984.99

## Keep-outs
Keep-Out Layer:
  lines w10: 1000,1240 1000,3754 ; 1000,1245 ccw(c1245,1245) 1245,1000 3760,1000 ; 1000,3755 cw(c1245,3755) 1245,4000 3770,4000 ; 1806.44,1929.09 cw(c2051.44,1929.09) 2051.44,2174.09 ; 3755,4000 cw(c3755,3755) 4000,3755 ; 4000,1240 4000,3770

## Text inside footprints (layer, text, board x,y; h text height)
J2: Mechanical 1 "PCB EDGE" at 3998.11,3133.15 h19.68 r90
J3: Mechanical 1 "PCB EDGE" at 3988.11,2723.15 h19.68 r90
J4: Top 3D Body "PCB Edge" at 2000.39,997.24 h16
J5: Mechanical 1 "PCB EDGE" at 1001.89,2506.85 h19.68 r270
J6: Mechanical 1 "PCB EDGE" at 1001.89,2914.02 h19.68 r270
J7: Mechanical 1 "PCB EDGE" at 1523.15,1011.89 h19.68
J8: Mechanical 1 "PCB EDGE" at 3402.44,3998.11 h19.68 r180
J9: Mechanical 1 "PCB EDGE" at 3102.36,1001.89 h19.68
J10: Mechanical 1 "PCB EDGE" at 3998.11,1996.77 h19.68 r90
J11: Mechanical 1 "PCB EDGE" at 3998.11,1516.77 h19.68 r90
P1: Top Overlay "GND" at 1285,3580.67 h60; Top Overlay "EN" at 1285,3880 h60; Top Overlay "VIN" at 1285.06,3380 h60
R39: Bottom Assembly "0.037in/0.94mm" at 2880,1152.5 h25 r180; Bottom Assembly "0.026in/0.66mm" at 2385,1255 h25 r180; Bottom Assembly "0.148in/3.759mm" at 3042.5,1201 h25 r180; Bottom Assembly "0.035in/0.889mm" at 2701.25,1373.5 h25 r180; Bottom Assembly "0.148in/3.759mm" at 2235,1201 h25 r180; Bottom Assembly "0.047in/1.194mm" at 2663.75,1028.5 h25 r180; Bottom Assembly "0.075in/1.905mm" at 2663.75,1473.5 h25 r180; Bottom Assembly "0.122in/3.099mm" at 2663.75,928.5 h25 r180; Bottom Assembly "Alt 2 Padstyle: OX90Y60D30P" at 2907.5,1837.5 h50 r180; Bottom Assembly "Alt 1 Padstyle: OX60Y90D30P" at 2907.5,1762.5 h50 r180; Bottom Assembly "Center Pin Padstyle: RX47Y63D0T" at 2957.5,1687.5 h50 r180; Bottom Assembly "Default Padstyle: RX35Y52D0T" at 2920,1612.5 h50 r180
R42: Bottom Assembly "0.037in/0.94mm" at 3130,1154 h25 r180; Bottom Assembly "0.026in/0.66mm" at 2635,1256.5 h25 r180; Bottom Assembly "0.148in/3.759mm" at 3292.5,1202.5 h25 r180; Bottom Assembly "0.035in/0.889mm" at 2951.25,1375 h25 r180; Bottom Assembly "0.148in/3.759mm" at 2485,1202.5 h25 r180; Bottom Assembly "0.047in/1.194mm" at 2913.75,1030 h25 r180; Bottom Assembly "0.075in/1.905mm" at 2913.75,1475 h25 r180; Bottom Assembly "0.122in/3.099mm" at 2913.75,930 h25 r180; Bottom Assembly "Alt 2 Padstyle: OX90Y60D30P" at 3157.5,1839 h50 r180; Bottom Assembly "Alt 1 Padstyle: OX60Y90D30P" at 3157.5,1764 h50 r180; Bottom Assembly "Center Pin Padstyle: RX47Y63D0T" at 3207.5,1689 h50 r180; Bottom Assembly "Default Padstyle: RX35Y52D0T" at 3170,1614 h50 r180